# Altium PCB Cherry_Mx_ByZ.PcbDoc
Units mil, origin at the board's own origin, x right, y up, seen from the top; angles counter-clockwise.
Board outline 3543.31 x 1771.65 mil, 2 copper layers (Top Layer, Bottom Layer), stack 61.8 mil thick; 41 components, 35 nets, 152 pads, 84 vias.
Unrouted connection lines stored in the file: 1.
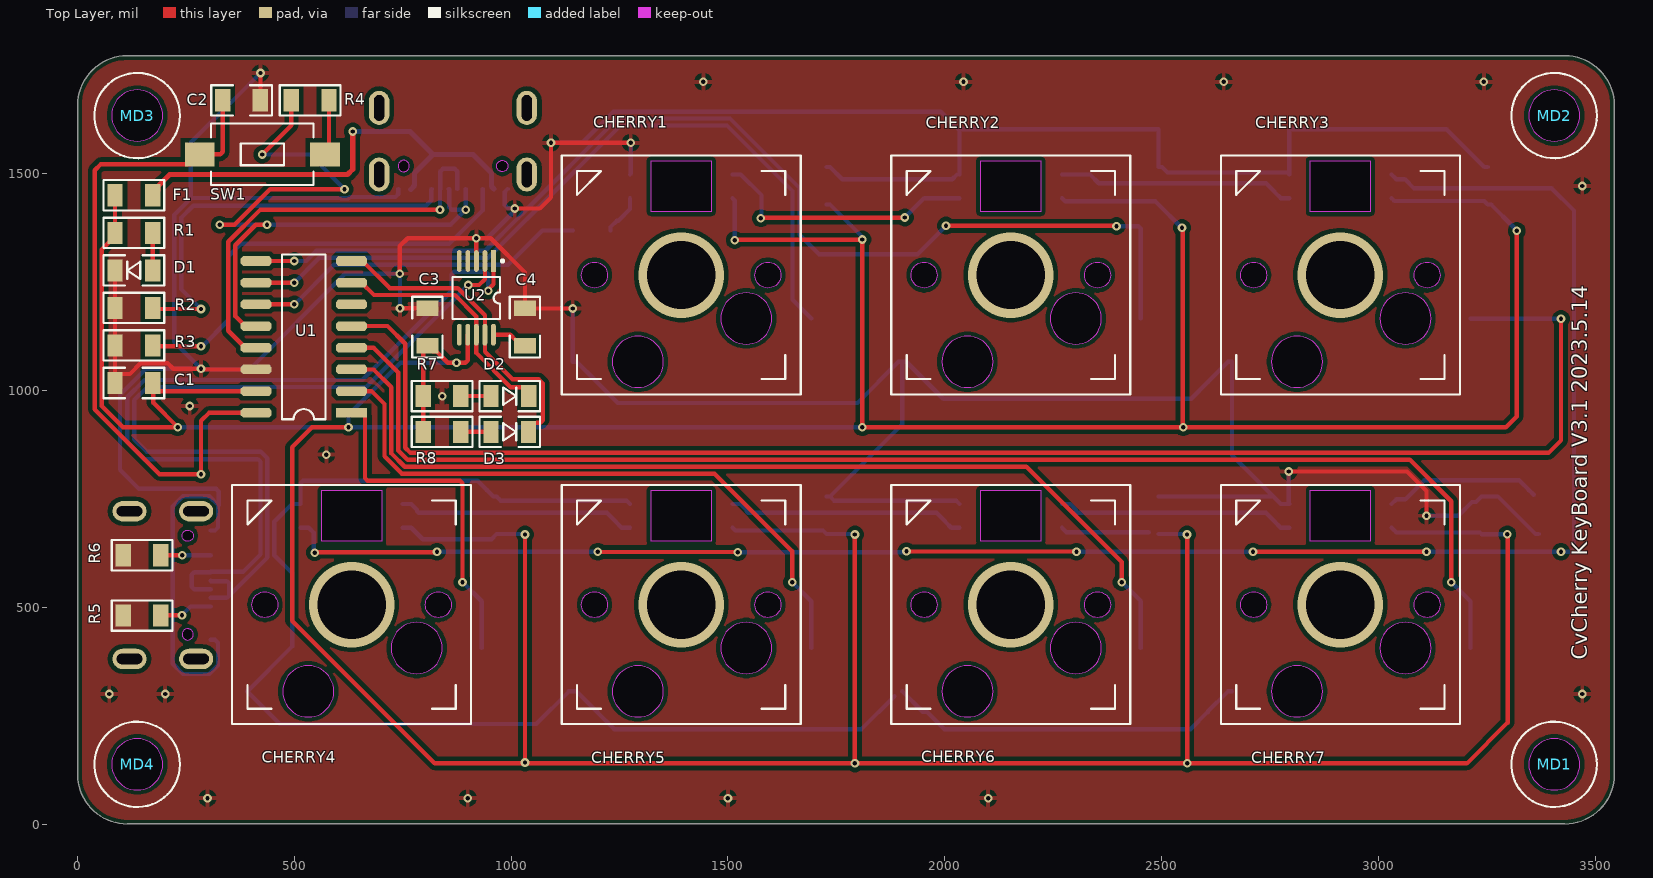
[diagram p0: Top Layer view]
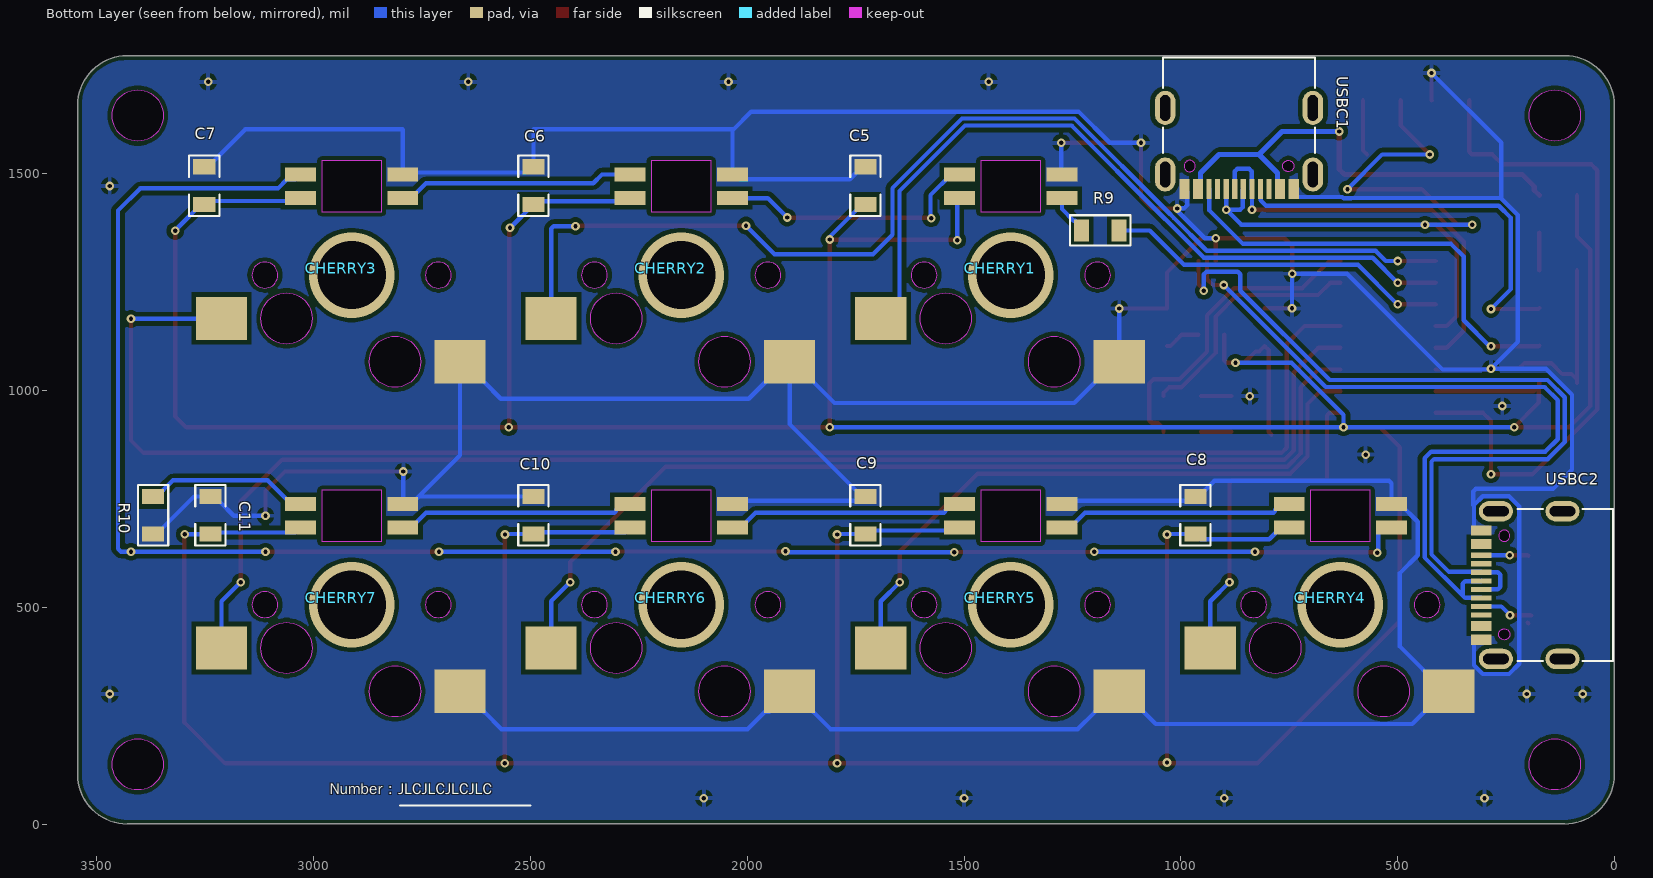
[diagram p1: Bottom Layer view, seen from below]
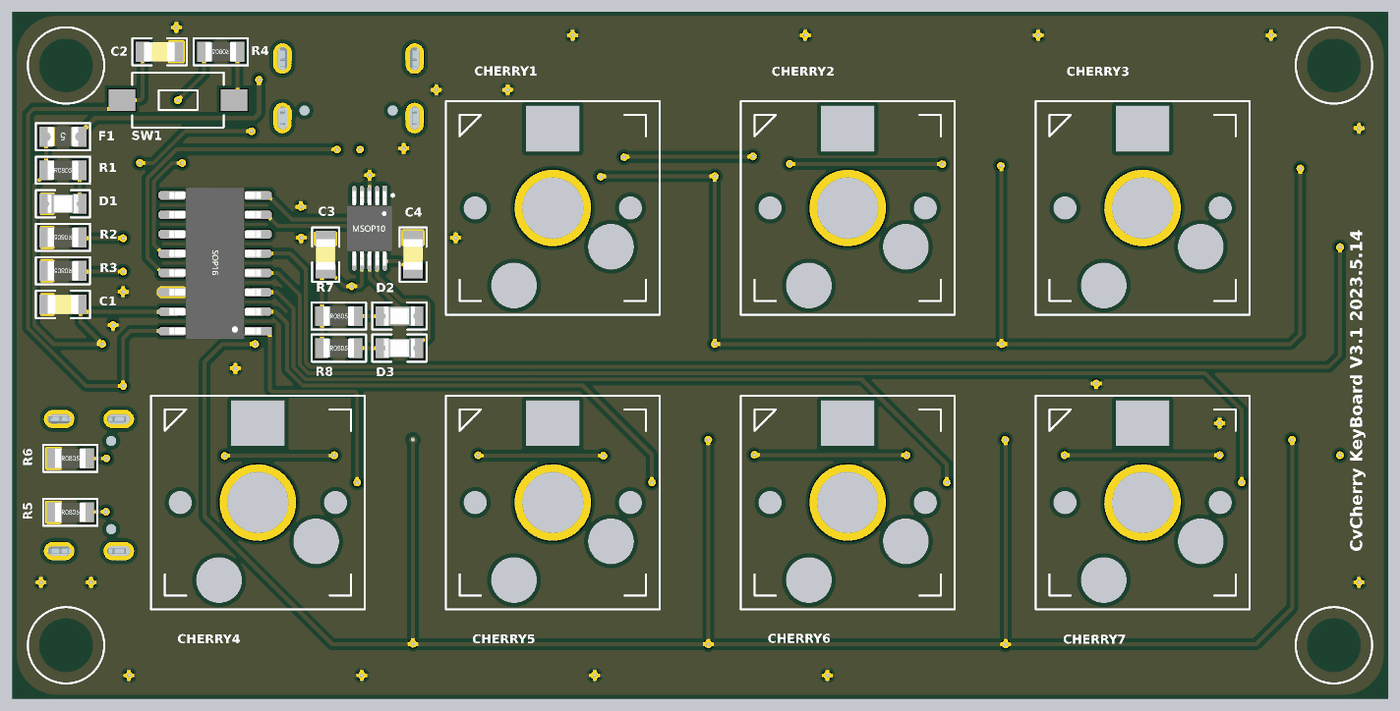
[diagram p2: 3D render of the assembled board from above, using the file's embedded part models]
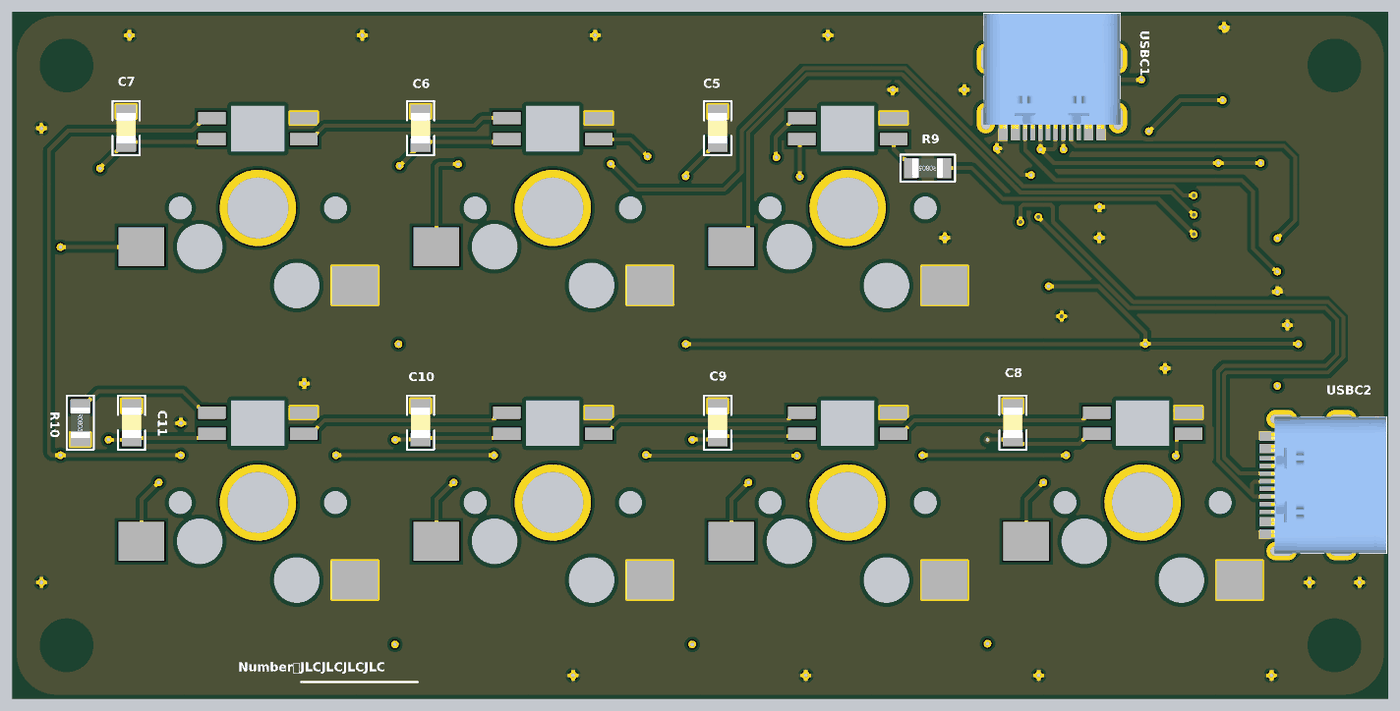
[diagram p3: 3D render of the assembled board from below, using the file's embedded part models]

## Layer stack, top to bottom
Top Solder: solder mask 0.4, Solder Resist, Dk 3.5
Top Layer: signal copper 1.4
Dielectric 1: core 59, Core-043, Dk 4.3
Bottom Layer: signal copper 1.4
Bottom Solder: solder mask 0.4, Solder Resist, Dk 3.5

## Board outline
0.65,114.42 ccw(c114.82,114.42) 114.82,0.25 3429.78,0.25 ccw(c3429.78,114.42) 3543.95,114.42 3543.95,1657.73 ccw(c3429.78,1657.73) 3429.78,1771.9 114.82,1771.9 ccw(c114.82,1657.73) 0.65,1657.73

## Design rules (kind name [scope] priority, off if disabled: settings)
BoardOutlineClearance [All] p1: gap=10 ignorepadtopadclearanceinfootprint=FALSE except(0: Arc-SplitContinuation Track-SplitContinuation SMDPad-SplitContinuation THPad-SplitContinuation Via-SplitContinuation Fill-SplitContinuation Poly-SplitContinuation Region-SplitContinuation Text-SplitContinuation)
Clearance [All] p1: gap=6 ignorepadtopadclearanceinfootprint=TRUE except(10: Arc-Poly Track-Poly SMDPad-Poly THPad-Poly Via-Poly Fill-Poly Poly-Poly)
HoleSize [All] p1: absolutevalues=TRUE maxlimit=200 minlimit=1 maxpercent=80.000 minpercent=20.000
HoleToHoleClearance [All] p1: gap=4 allowstackedmicrovias=TRUE
MinimumSolderMaskSliver [All vs Not InComponent('USBC1')  And  InComponent('USBC2') And InComponent('U2')] p1: minsoldermaskwidth=6
NetAntennae [All] p1: netantennaetolerance=1
PolygonConnect PolygonConnect_1 [IsPad] p1: connectstyle=Direct reliefconductorwidth=10 reliefentries=4 polygonreliefangle="90 Angle" airgapwidth=10
PolygonConnect [All] p2: connectstyle=Relief reliefconductorwidth=10 reliefentries=4 polygonreliefangle="90 Angle" airgapwidth=10
RoutingVias [All] p1: holewidth=10 width=20 viastyle="Through Hole" minholewidth=10 minwidth=20 maxholewidth=10 maxwidth=20
SilkToSilkClearance [All] p1: silktosilkclearance=4
SilkToSolderMaskClearance [IsPad] p1: minsilkscreentomaskgap=4 clearancetoexposedcopper=TRUE
SolderMaskExpansion [All] p1: expansion=4 istentingtop=FALSE
Width VBUS [InNet('VBUS')] p1: maxlimit=12 minlimit=6 preferedwidth=12 minimp=50.000000 maximp=50.000000 favimp=50.000000
Width [All] p2: maxlimit=12 minlimit=6 preferedwidth=10 minimp=50.000000 maximp=50.000000 favimp=50.000000
24 further rules are at their usual default settings.

## Classes and differential pairs
component class Switch_RGB_Cherry: C5 C6 C7 C8 C9 C10 C11 CHERRY1 CHERRY2 CHERRY3 CHERRY4 CHERRY5 CHERRY6 CHERRY7 R9 R10
component class Cherry_Mx_ByZ: C1 C2 C3 C4 D1 D2 D3 F1 MD1 MD2 MD3 MD4 R1 R2 R3 R4 R5 R6 R7 R8 SW1 U1 U2 USBC1 USBC2

## Components (designator, comment, footprint, x,y, rotation, side; value= is the part's Value field where it differs from the comment)
C1 "100nF" SM_C_0805 130,1017.18 r0 top
C2 "100nF" SM_C_0805 378.54,1669 r180 top
C3 "100nF" SM_C_0805 807,1146 r270 top
C4 "100nF" SM_C_0805 1032,1146 r90 top
C5 "100nF" SM_C_0805 1727.43,1472.17 r270 bottom
C6 "100nF" SM_C_0805 2493.11,1472.17 r270 bottom
C7 "100nF" SM_C_0805 3252,1472.17 r270 bottom
C8 "100nF" SM_C_0805 966.57,712.17 r270 bottom
C9 "100nF" SM_C_0805 1727.43,712.17 r270 bottom
C10 "100nF" SM_C_0805 2493.11,712.17 r270 bottom
C11 "100nF" SM_C_0805 3237.86,712.17 r270 bottom
CHERRY1 "Cherry_RGB" Cherry 1392.3,1266.08 r0 top locked
CHERRY2 "Cherry_RGB" Cherry 2152.3,1266.08 r0 top locked
CHERRY3 "Cherry_RGB" Cherry 2912.3,1266.08 r0 top locked
CHERRY4 "Cherry_RGB" Cherry 632.3,506.08 r0 top locked
CHERRY5 "Cherry_RGB" Cherry 1392.3,506.08 r0 top locked
CHERRY6 "Cherry_RGB" Cherry 2152.3,506.08 r0 top locked
CHERRY7 "Cherry_RGB" Cherry 2912.3,506.08 r0 top locked
D1 "LED_0805" LED_0805_White 130,1276.87 r180 top
D2 "LED_0805" LED_0805_White 997,987.09 r0 top
D3 "LED_0805" LED_0805_White 996.94,904.51 r0 top
F1 "F_0805" SMD_F_0805 130,1450 r180 top
MD1 "M3" M3 3405.51,137.8 r0 top locked value=直径3
MD2 "M3" M3 3405.51,1633.86 r0 top locked value=直径3
MD3 "M3" M3 137.8,1633.86 r0 top locked value=直径3
MD4 "M3" M3 137.8,137.8 r0 top locked value=直径3
R1 "470Ω" SM_R_0805 130,1363.44 r0 top
R2 "5.1KΩ" SM_R_0805 130,1190.31 r180 top
R3 "5.1KΩ" SM_R_0805 130,1103.75 r180 top
R4 "4.7KΩ" SM_R_0805 536.69,1669 r180 top
R5 "0Ω" SM_R_0805 149,481 r0 top
R6 "0Ω" SM_R_0805 149,620.08 r0 top
R7 "470Ω" SM_R_0805 840.94,987.09 r0 top
R8 "470Ω" SM_R_0805 840.88,904.51 r0 top
R9 "510Ω" SM_R_0805 1186,1369 r0 bottom
R10 "510Ω" SM_R_0805 3370.02,712.17 r270 bottom
SW1 "轻触开关" SW_L6W3.5 426.4,1544.37 r0 top
U1 "CH549G" SOP-16 522,1123.5 r180 top
U2 "CH340E" MSOP-10 920,1213.5 r270 top
USBC1 "TYPE-C_16PIN" SMD_TYPE-C_16PIN_WS 866,1574.8 r0 bottom
USBC2 "TYPE-C_16PIN" SMD_TYPE-C_16PIN_WS 196.85,551.18 r90 bottom

## Footprints (in the part's own frame and the unit in brackets; to place one, negate y for a bottom-side part, rotate by r counter-clockwise, add the part's x,y. Pads: shape width x height; smd on the part's side, far side on the other; paste and mask are expansions set on the pad)
Cherry [mm]
  rect 1.8x0.82 smd far side: 1(3,4.507) 2(3,5.893) 3(-3,5.893) 4(-3,4.507)
  rect 3x2.54 smd far side: 5(7.62,-2.54) 6(-6.35,-5.08)
  Keep-Out Layer board cut-out: -5.08,-0.762 -5.372,-0.704 -5.619,-0.539 -5.784,-0.292 -5.842,0 -5.842,0 -5.784,0.292 -5.619,0.539 -5.372,0.704 -5.08,0.762 -5.08,0.762 -4.788,0.704 -4.541,0.539 -4.376,0.292 -4.318,0 -4.318,0 -4.376,-0.292 -4.541,-0.539 -4.788,-0.704 -5.08,-0.762
  Keep-Out Layer board cut-out: 5.08,-0.762 4.788,-0.704 4.541,-0.539 4.376,-0.292 4.318,0 4.318,0 4.376,0.292 4.541,0.539 4.788,0.704 5.08,0.762 5.08,0.762 5.372,0.704 5.619,0.539 5.784,0.292 5.842,0 5.842,0 5.784,-0.292 5.619,-0.539 5.372,-0.704 5.08,-0.762
  Keep-Out Layer board cut-out: -4.04,-5.08 -3.926,-5.654 -3.601,-6.141 -3.114,-6.466 -2.54,-6.58 -2.54,-6.58 -1.966,-6.466 -1.479,-6.141 -1.154,-5.654 -1.04,-5.08 -1.04,-5.08 -1.154,-4.506 -1.479,-4.019 -1.966,-3.694 -2.54,-3.58 -2.54,-3.58 -3.114,-3.694 -3.601,-4.019 -3.926,-4.506 -4.04,-5.08
  Keep-Out Layer board cut-out: 2.31,-2.54 2.424,-3.114 2.749,-3.601 3.236,-3.926 3.81,-4.04 3.81,-4.04 4.384,-3.926 4.871,-3.601 5.196,-3.114 5.31,-2.54 5.31,-2.54 5.196,-1.966 4.871,-1.479 4.384,-1.154 3.81,-1.04 3.81,-1.04 3.236,-1.154 2.749,-1.479 2.424,-1.966 2.31,-2.54
  Keep-Out Layer board cut-out: -1.75,3.7 -1.75,6.7 1.75,6.7 1.75,3.7
  silkscreen extent -7,-7 7,7
LED_0805_White [mm] "贴片发光二极管"
  rect 0.9x1.3 smd: 1(-1.1,0) 2(1.1,0)
  silkscreen extent -1.78,-0.89 1.78,0.89, body extent -1,-0.63 1,0.63, height 1.1
M3 [mil] "直径3MM过孔"
  Keep-Out Layer board cut-out: -59.06,0 -54.56,-22.6 -41.76,-41.76 -22.6,-54.56 0,-59.06 0,-59.06 22.6,-54.56 41.76,-41.76 54.56,-22.6 59.06,0 59.06,0 54.56,22.6 41.76,41.76 22.6,54.56 0,59.06 0,59.06 -22.6,54.56 -41.76,41.76 -54.56,22.6 -59.06,0
  silkscreen extent -98,-98 98,98
MSOP-10 [mil]
  rect 50x11 smd mask+2: 1(-85,39.37)
  oval 50x11 smd mask+2: 2(-85,19.69) 3(-85,0) 4(-85,-19.68) 5(-85,-39.37) 6(85,-39.37) 7(85,-19.68) 8(85,0) 9(85,19.69) 10(85,39.37)
  silkscreen extent -88,-55 48,63, body extent -96,-59 96,59, height 43
SM_C_0805 [mm] "贴片电容"
  rect 0.9x1.3 smd: 1(-1.1,0) 2(1.1,0)
  silkscreen extent -1.78,-0.89 1.78,0.89, body extent -1,-0.63 1,0.63, height 1
SM_R_0805 [mm] "贴片电阻"
  rect 0.9x1.3 smd: 1(-1.1,0) 2(1.1,0)
  silkscreen extent -1.78,-0.89 1.78,0.89, body extent -1,-0.63 1,0.63, height 0.55
SMD_F_0805 [mm] "贴片保险丝"
  rect 0.9x1.3 smd: 1(-1.1,0) 2(1.1,0)
  silkscreen extent -1.78,-0.89 1.78,0.89, body extent -1,-0.63 1,0.63, height 0.55
SMD_TYPE-C_16PIN_WS [mm] "L7.35_W8.9_P4.2+1.2"
  rect 0.6x1.2 smd mask+0.05: 1(-3.2,2.8) 2(-2.4,2.8) 11(2.4,2.8) 12(3.2,2.8)
  rect 0.3x1.2 smd mask+0.05: 3(-1.75,2.8) 4(-1.25,2.8) 5(-0.75,2.8) 6(-0.25,2.8) 7(0.25,2.8) 8(0.75,2.8) 9(1.25,2.8) 10(1.75,2.8)
  oval 1.2x2 hole 0.6 slot 1.5 at 90 deg mask+0.051: 13(-4.325,-1.95) 13(-4.325,1.95) 14(4.325,-1.95) 14(4.325,1.95)
  Keep-Out Layer board cut-out: 2.56,1.456 2.585,1.33 2.657,1.223 2.764,1.151 2.89,1.126 2.89,1.126 3.016,1.151 3.123,1.223 3.195,1.33 3.22,1.456 3.22,1.456 3.195,1.582 3.123,1.689 3.016,1.761 2.89,1.786 2.89,1.786 2.764,1.761 2.657,1.689 2.585,1.582 2.56,1.456
  Keep-Out Layer board cut-out: -2.89,1.126 -3.016,1.151 -3.123,1.223 -3.195,1.33 -3.22,1.456 -3.22,1.456 -3.195,1.582 -3.123,1.689 -3.016,1.761 -2.89,1.786 -2.89,1.786 -2.764,1.761 -2.657,1.689 -2.585,1.582 -2.56,1.456 -2.56,1.456 -2.585,1.33 -2.657,1.223 -2.764,1.151 -2.89,1.126
  silkscreen extent -4.45,-4.9 4.45,0.68, body extent -4.47,-4.9 4.47,2.65, height 3.26
SOP-16 [mil]
  rect 72x22 smd: 1(-110,175)
  oct 72x22 smd: 2(-110,125) 3(-110,75) 4(-110,25) 5(-110,-25) 6(-110,-75) 7(-110,-125) 8(-110,-175) 9(110,-175) 10(110,-125) 11(110,-75) 12(110,-25) 13(110,25) 14(110,75) 15(110,125) 16(110,175)
  silkscreen extent -50,-190 50,190, body extent -118,-197 118,197, height 65
SW_L6W3.5 [mm]
  rect 1.74x1.4 smd: 1(-3.67,0) 2(3.67,0)
  silkscreen extent -3,-1.8 3,1.8

## Part data
C1 C2 C3 C4 C5 C6 C7 C8 C9 C10 C11: library part C0805, "贴片电容"
CHERRY1 CHERRY2 CHERRY3 CHERRY4 CHERRY5 CHERRY6 CHERRY7: "樱花轴CHERRY"
D1 D2 D3: "发光二极管"
F1: "自恢复保险丝", ComponentLink1Description=立创商城, ComponentLink1URL=https://item.szlcsc.com/258562.html, 保持电流=500mA, 初态阻值=150mΩ, 动作时间=MAX_100ms, 厂家型号=SMD0805B050TF, 品　　牌=君耀电子, 最大电压=6V, 最大电流=100A, 立创编号=C269104, 跳闸电流=1A
MD1 MD2 MD3 MD4: "直径3mm过孔"
R1 R2 R3 R4 R5 R6 R7 R8 R9 R10: library part R0805, "贴片电阻"
SW1: "按钮轻触开关"
U1: "沁恒USB芯片", ComponentLink1Description=南京沁恒, ComponentLink1URL=https://www.wch.cn/downloads/CH549DS1_PDF.html
U2: "沁恒串口转TTL", ComponentLink1Description=立创商城, ComponentLink1URL=https://item.szlcsc.com/100866.html
USBC1 USBC2: "USB连接器", ComponentLink1Description=立创商城, ComponentLink1URL=https://item.szlcsc.com/2901843.html, 厂家型号="TYPE-C 16PIN 2MD(073)", 品　　牌="SHOU HAN", 安装方式=卧贴, 接口类型=母座, 立创编号=C2765186, 触点数量=16, 额定电流=5A

## Via types
v1: diameter 20, hole 10, Top Layer to Bottom Layer, 77 vias
v2: diameter 196.85, hole 157.48, Top Layer to Bottom Layer, 7 vias

## Nets (pads, with @x,y where several pads share a name; then routed paths per layer and width w, separated by ;. In a path a pad name is that pad's centre, name@x,y a point inside that pad or via, vN(x,y) a via of type N, cw(c..) or ccw(c..) an arc to the next point about the centre after c; other vN are vias at no path point)
CC1: R2.1 USBC1.4 | length 961.9
  Top Layer w10: R2.1 175.62,1188 v1(285,1188)
  Bottom Layer w10: v1(285,1188) 239,1234 239,1398 267,1426 803.62,1426 815.88,1438.26 815.88,1463.66 USBC1.4
CC2: R3.1 USBC1.10 | length 1026.2
  Top Layer w10: R3.1 175.05,1102 v1(285,1102)
  Bottom Layer w10: v1@286.5,1100.5 348,1162 348,1309 377,1338 857,1338 934.9,1415.9 USBC1.10
CH340E: C4.1 U2.10 | length 83.3
  Top Layer w10: U2.10 998.32,1128.5 1011.41,1115.41 1024.13,1102.69 C4.1
CH549G: C2.2 SW1.1 U1.16 | length 1547.7
  Top Layer w10: C2.2 335.24,1550.22 329.38,1544.37 SW1.1 259.54,1522 54,1522 40,1508 40,956.37 189.37,807 v1(285,807) 285,930 303.25,948.25 411.75,948.25 U1.16
DM: U1.13 USBC1.5 USBC1.7 | length 977.4
  Top Layer w10: U1.13 387,1098.5 348,1137.5 348,1343 422,1417 v1(836,1417)
  Bottom Layer w10: v1(836,1417) 836.24,1417.24 836.24,1464.33 USBC1.5 836.47,1505.14 842.33,1511 869.98,1511 875.84,1505.14 USBC1.7
DOUT-IN: CHERRY3.2 CHERRY4.4 | length 4226.9
  Top Layer w10: v1(547,626) 548,627 828,627 v1(829,628) ; v1(1200,628) 1200.5,627.5 1522.5,627.5 v1(1523,627) ; v1(1912,629) 1912.5,628.5 2303.5,628.5 v1(2304,628) ; v1(2711,628) v1(3111,628)
  Bottom Layer w10: CHERRY4.4 533.48,683.52 544.62,672.38 544.62,631.09 547,628.71 v1(547,626) ; v1(829,628) v1(1200,628) ; v1(1523,627) 1908.65,627 1910.65,629 v1(1912,629) ; v1(2304,628) v1(2711,628) ; CHERRY3.2 3041.55,1486.94 3061.06,1486.94 3082,1466 3400,1466 3451,1415 3451,634.86 3444.14,628 v1(3421,628) v1(3111,628)
DP: R4.2 U1.12 USBC1.6 USBC1.8 | length 1724.5
  Top Layer w10: v1(328,1382) 362.3,1382 444.3,1464 v1(616,1464) ; U1.12 387,1148.5 364,1171.5 364,1334.96 411.04,1382 v1(437,1382) ; v1(426,1544) 493.39,1611.39 R4.2
  Bottom Layer w10: v1@328,1381 329,1382 v1(437,1382) 860.53,1382 v1(895.53,1417) ; v1(426,1544) 536,1544 v1(616,1464) ; USBC1.6 857.06,1463.66 857.06,1422.86 862.92,1417 v1(895.53,1417) ; USBC1.8 v1(895.53,1417)
GND: C1.1 C2.1 C3.1 C4.2 C5.1 C6.1 C7.1 C8.1 C9.1 C10.1 C11.1 CHERRY1.3 CHERRY1.6 CHERRY2.3 CHERRY2.6 CHERRY3.3 CHERRY3.6 CHERRY4.3 CHERRY4.6 CHERRY5.3 CHERRY5.6 CHERRY6.3 CHERRY6.6 CHERRY7.3 CHERRY7.6 D1.2 R2.2 R3.2 R5.1 R6.1 R10.2 U1.14 U2.3 USBC1.1 USBC1.12 USBC2.1 USBC2.12 | length 15951.6
  Top Layer w10: C1.1 C1.1@86.69,1025.06 ; D1.2 R2.2 R3.2 C1.1@86.69,1025.06 ; U1.14 286.5,1048.5 v1(285,1050) 220.76,1050 207.76,1063 146.22,1063 121,1037.77 99.41,1037.77 C1.1@86.69,1025.06 ; C2.1 422,1669.15 v1(422,1732) ; v1(743,1269) 743,1332.31 761.69,1351 v1(920,1351) ; v1(743.76,1189.31) C3.1 ; U2.3 v1(920,1351) ; v1(1008.26,1419.57) 1066.4,1419.57 1092,1445.17 v1(1092,1571) v1(1276,1571) ; v1(1142,1189) 1032.31,1189 C4.2 1032,1271.93 952.93,1351 v1(920,1351) ; v1(2793,813) 3066,813 3111,768 v1(3111,711)
  Bottom Layer w10: 261,1442.63 261,1571 v1(422,1732) ; v1(285,1050) 158,1050 98,990 98,817 142,773 319.85,773 325.71,767.14 325.71,735.8 ; USBC2.1 317.18,425.2 323.99,418.39 323.99,366.56 303.71,346.28 243.53,346.28 220,369.82 220,732.55 243.53,756.08 303.71,756.08 323.99,735.8 323.99,683.98 317.18,677.17 USBC2.12 ; USBC1.1 740.02,1452.76 733.2,1445.94 627.64,1445.94 624.7,1443 607.3,1443 606.47,1443.83 262.2,1443.83 223,1404.63 223,1366 223,1112 286.5,1048.5 396.5,1048.5 617,1269 v1(743,1269) ; v1(743.76,1189.31) 743.76,1258 ; v1(920,1351) 920.15,1351.15 945,1351.15 v1@1007.3,1413.46 ; USBC1.12 985.17,1457.76 985.17,1427.83 993.17,1419.83 1008,1419.83 v1(1008.26,1419.57) ; v1(1092,1571) 1164.12,1571 1236.12,1643 1991,1643 2032,1602 ; v1(1142,1189) 1142,1066.38 1151.06,1066.38 1196.35,1021.08 1196.35,1020.65 1246,971 1799,971 1846.25,1018.25 1846.25,1019.08 1893.25,1066.08 CHERRY2.6 ; CHERRY5.3 1266.27,746 976.05,746 C8.1 958.7,755.47 943.98,770.19 943.98,770.76 922.75,792 520.05,792 514.19,786.14 CHERRY4.3 494.9,738.08 454,697.19 454,620.13 495,579.13 495,409.72 391.35,306.08 466.43,231 1058.17,231 1133.24,306.08 CHERRY5.6 1151.35,306.08 1198.35,259.08 1198.35,258.65 1238,219 1808.19,219 CHERRY6.6@1884.19,295 ; CHERRY1.3 1276,1499.9 v1(1276,1571) ; C9.1 C9.1@1735.3,755.47 ; C5.1 1735.3,1515.48 1763.78,1487 2017.43,1487 CHERRY2.3@2028.52,1498.09 ; CHERRY6.6 1949.3,259.08 1958.92,259.08 1999.34,218.66 2566.66,218.66 2606.25,258.25 2606.25,259.08 2653.25,306.08 CHERRY7.6 ; CHERRY6.3 2026.27,746 1744.78,746 C9.1@1735.3,755.47 ; CHERRY2.3 2034.19,1599.81 2032,1602 ; C10.1 2757.51,755.47 ; CHERRY7.3@2793,739.28 v1(2793,813) ; CHERRY7.3 2774.9,738.08 2757.51,755.47 ; v1(3111,711) 3184,711 3215.76,742.76 3225.14,742.76 C11.1 3275.53,755.47 3362.14,668.86 R10.2 ; C7.1 3244.13,1515.48 3157.6,1602 2795,1602 2794.19,1601.19 CHERRY3.3 2789.52,1502.76 2513.7,1502.76 2500.98,1515.48 C6.1 2493.11,1600.89 2492,1602 2032,1602 ; C9.1@1735.3,755.47 1902.3,922.47 CHERRY2.6 ; CHERRY2.6 1911.36,1066.08 1996.43,981 2568.25,981 2606.25,1019 2606.25,1019.08 2653.25,1066.08 CHERRY3.6 2662.3,850.68 2757.51,755.47
  other v1: 300,60 900,60 1500,60 2100,60 73.31,300 202.28,300 3470,300 574,852 259,964 841,987 3470,1471.65 1443.31,1711.65 2043.31,1711.65 2643.31,1711.65 3243.31,1711.65
K1: CHERRY1.5 U1.10 | length 1761.6
  Top Layer w10: U1.10 v1(500.25,1248.5)
  Bottom Layer w10: v1(500.25,1248.5) 557.75,1306 947,1306 1023.57,1382.57 ; 1023.59,1382.57 1045.26,1404.24 1252,1611 1498,1611 1649,1460 1649,1209.38 CHERRY1.5
K2: CHERRY2.5 U1.9 | length 2606.3
  Top Layer w10: U1.9 v1(500.25,1298.5) ; v1(2003,1380) 2003.5,1379.5 2395.5,1379.5 v1(2396,1379)
  Bottom Layer w10: v1(500.25,1298.5) 527.5,1298.5 551,1322 940.37,1322 1016.94,1398.57 1029.26,1410.87 ; 1029.26,1410.89 1245.37,1627 1504.63,1627 1665,1466.63 1665,1359 1710,1314 1937,1314 v1(2003,1380) ; v1(2396,1379) 2446.44,1379 2452.3,1373.14 CHERRY2.5
K3: CHERRY3.5 U1.5 | length 3551.8
  Top Layer w10: U1.5 715.14,1148.5 756,1107.64 756,868 768,856 3392.14,856 3421,884.86 v1(3421,1165)
  Bottom Layer w10: CHERRY3.5 3213.38,1165 v1(3421,1165)
K4: CHERRY4.5 U1.1 | length 806.4
  Top Layer w10: U1.1 657,948.5 663,942.5 663,797.86 668.86,792 882.14,792 888,786.14 v1(888,558)
  Bottom Layer w10: v1(888,558) 932.3,513.7 CHERRY4.5
K5: CHERRY5.5 U1.2 | length 1480.9
  Top Layer w10: U1.2 678.14,998.5 708,968.64 708,848.12 748.12,808 1469,808 1648,629 v1(1648,558)
  Bottom Layer w10: v1(1648,558) 1692.3,513.7 CHERRY5.5
K6: CHERRY6.5 U1.3 | length 2266
  Top Layer w10: U1.3 683,1048.5 724,1007.5 724,854.75 754.75,824 2188.27,824 2408,604.27 v1(2408,558)
  Bottom Layer w10: v1(2408,558) 2452.3,513.7 CHERRY6.5
K7: CHERRY7.5 U1.4 | length 3145
  Top Layer w10: U1.4 683,1098.5 740,1041.5 740,861.37 761.37,840 3072.63,840 3168,744.63 v1(3168,558)
  Bottom Layer w10: v1(3168,558) 3212.3,513.7 CHERRY7.5
NetCHERRY1_2: CHERRY1.2 CHERRY2.4 | length 618.1
  Top Layer w10: v1(1576,1397) 1577,1398 1907,1398 v1(1908,1399)
  Bottom Layer w10: CHERRY1.2 1529.7,1498.09 1577.3,1450.49 1577.3,1398.3 v1(1576,1397) ; v1(1908,1399) 1952.52,1443.52 CHERRY2.4
NetCHERRY1_4: CHERRY1.4 R9.2 | length 95.1
  Bottom Layer w10: R9.2 1229.31,1376.87 1244.02,1391.59 1247.4,1391.59 1274.19,1418.38 CHERRY1.4
NetCHERRY2_2: CHERRY2.2 CHERRY3.4 | length 546.7
  Bottom Layer w10: CHERRY2.2 2334.91,1498.09 2355,1478 2741,1478 2761.76,1457.25 2761.76,1456.66 2774.9,1443.52 CHERRY3.4
NetCHERRY4_2: CHERRY4.2 CHERRY5.4 | length 548.7
  Bottom Layer w10: CHERRY4.2 769.7,738.08 782.84,724.94 782.84,721.51 786.36,718 1221,718 1241.76,697.24 1241.76,696.66 1254.9,683.52 CHERRY5.4
NetCHERRY5_2: CHERRY5.2 CHERRY6.4 | length 548.7
  Bottom Layer w10: CHERRY5.2 1529.7,738.08 1542.84,724.94 1542.84,721.51 1546.36,718 1981,718 2001.76,697.24 2001.76,696.66 2014.9,683.52 CHERRY6.4
NetCHERRY6_2: CHERRY6.2 CHERRY7.4 | length 548.7
  Bottom Layer w10: CHERRY6.2 2289.7,738.08 2302.84,724.94 2302.84,721.51 2306.36,718 2741,718 2761.76,697.24 2761.76,696.66 2774.9,683.52 CHERRY7.4
NetCHERRY7_2: CHERRY7.2 R10.1 | length 364.6
  Bottom Layer w10: CHERRY7.2 3041.55,749.23 3062.23,749.23 3106,793 3324.18,793 3346.99,770.19 3347.43,770.19 3358.03,759.59 R10.1@3358.03,759.15
NetD1_1: D1.1 R1.2 | length 86.6
  Top Layer w10: D1.1 R1.2
NetD2_1: D2.1 R7.2 | length 69.4
  Top Layer w10: R7.2 D2.1
NetD3_1: D3.1 R8.2 | length 69.4
  Top Layer w10: R8.2 D3.1
NetR4_1: R4.1 SW1.2 | length 128.4
  Top Layer w10: SW1.2 580,1553.48 R4.1
NetR5_2: R5.2 USBC2.4 | length 125
  Top Layer w10: R5.2 193.31,482 v1(241,482) ; R5.2@199.4,463.18 R5.2@200.46,464.24
  Bottom Layer w10: v1(241,482) 260.97,501.97 USBC2.4
NetR6_2: R6.2 USBC2.10 | length 108.2
  Top Layer w10: R6.2@199.31,619.08 200.27,620.04 v1(242.04,620.04)
  Bottom Layer w10: v1(242.04,620.04) v1(242.04,620.04) 307.05,620.04 USBC2.10
RGB: R9.1 U1.11 | length 801.3
  Top Layer w10: U1.11 v1(500.25,1198.5)
  Bottom Layer w10: v1(500.25,1198.5) 591.75,1290 992.88,1290 1071.88,1369 R9.1
RXD: D2.2 U1.7 U2.8 | length 570.1
  Top Layer w10: U1.7 655.29,1248.5 683.79,1220 870.4,1220 919.81,1170.59 919.81,1128.69 U2.8 920,1086.37 999.29,1007.09 1027.59,1007.09 1040.31,994.37 D2.2
TXD: D3.2 U1.8 U2.9 | length 740.5
  Top Layer w10: U1.8 657.5,1298.5 720,1236 877.02,1236 939.69,1173.34 U2.9 939.88,1128.31 939.88,1089.12 1003.32,1025.68 1063.41,1025.68 1073,1016.09 1073,931.22 1067.14,925.37 1058.82,925.37 1058.56,925.1 1052.97,925.1 1040.25,912.38 D3.2
UD+: U2.1 USBC2.6 USBC2.8 | length 1983.5
  Top Layer w10: v1(947,1230) 947,1232.71 959.37,1245.08 U2.1
  Bottom Layer w10: USBC2.6 269.15,541.34 263.29,547.2 263.29,574.85 269.15,580.71 USBC2.8 307.99,581.61 381.61,581.61 422,622 422,835.85 416.14,841.71 154.29,841.71 115,881 115,984.37 154.63,1024 657,1024 863,1230 863,1268.14 868.86,1274 941.14,1274 947,1268.14 v1(947,1230)
UD-: U2.2 USBC2.5 USBC2.7 | length 1852.4
  Top Layer w10: v1(901,1243) 926.01,1243 939.69,1256.67 U2.2
  Bottom Layer w10: USBC2.5 344.58,521.65 350.44,527.51 ; USBC2.7 307.99,560.12 344.58,560.12 350.44,554.26 350.44,527.51 ; v1(901,1243) 666,1008 161.25,1008 131,977.75 131,887.63 159.63,859 422.48,859 438,843.48 438,615.07 350.44,527.51
VBUS: F1.1 USBC1.2 USBC1.11 | length 1078.7
  Top Layer w12: F1.1 185.02,1461.72 185.02,1470.02 213,1498 622.97,1498 635,1510.03 v1(635,1597)
  Bottom Layer w12: v1(635,1597) 766.75,1597 819.75,1544 ; USBC1.2@768.5,1463.5 777.32,1472.32 777.32,1501.57 819.75,1544 ; USBC1.11 954.68,1470.38 954.68,1501.57 912.25,1544 819.75,1544
VCC: C1.2 C3.2 C5.2 C6.2 C7.2 C8.2 C9.2 C10.2 C11.2 CHERRY1.1 CHERRY2.1 CHERRY3.1 CHERRY4.1 CHERRY5.1 CHERRY6.1 CHERRY7.1 F1.2 R1.1 R7.1 R8.1 U1.15 U2.7 | length 14001.6
  Top Layer w10: F1.2 R1.1 86.69,1355.56 56,1324.87 56,964 105,915 230,915 231,916 175,972 C1.2@175,1009.52 ; C1.2 173.31,1011.22 C1.2@175,1009.52 ; U1.15 186.02,998.5 C1.2@175,1009.52 ; v1(625,915) 541,915 495,869 495,469 824,140 1022.93,140 1023.02,140.09 1030.09,140.09 v1(1032,142) v1(1032,668) ; R8.1@791.07,898 R8.1 797.63,904.57 R7.1 797.63,1093.33 C3.2 819.72,1089.98 828.02,1089.98 854,1064 v1(874.23,1064) 894.46,1064 900.32,1069.86 U2.7 ; v1@1034,140 v1(1792.86,140) ; v1(1515.72,1346.72) 1516.36,1347.36 1809.36,1347.36 v1(1810,1348) v1(1810,915) v1(2550,915) ; v1(1792.86,668) v1(1792.86,140) ; v1(2547,1374.97) 2548.5,1373.47 2548.5,916.5 v1(2550,915) ; v1(2558.53,668) 2559.17,667.36 v1(2559.17,140) ; v1@3298,668.1 3298,234 3204,140 v1(2559.17,140) ; v1(3319,1368) 3319,940 3294,915 v1(2550,915) ; v1(1792.86,140) v1(2559.17,140)
  Bottom Layer w10: v1@231,916 231.5,915.5 624.5,915.5 v1(625,915) ; CHERRY4.1 769.7,683.52 796.22,657 954.72,657 C8.2 1031.14,668.86 v1(1032,668) ; v1(874.23,1064) 745,1064 625,944 v1(625,915) ; CHERRY5.1 1516.93,677 1719.29,677 C9.2 1792,668.86 v1(1792.86,668) ; CHERRY1.1 1515.72,1438.21 v1(1515.72,1346.72) ; C5.2 1735.3,1428.86 1808.09,1356.08 1808.09,1349.91 v1(1810,1348) ; v1(1810,915) v1(625,915) ; CHERRY6.1 2280.93,673 C10.2@2470.63,673 ; CHERRY2.1 2277.93,1436 2485.97,1436 C6.2 v1@2545.51,1376.46 ; C10.2 2557.67,668.86 v1(2558.53,668) ; CHERRY7.1 3041.55,672.38 3234.34,672.38 C11.2 3238.58,668.13 v1(3297.21,668.13) ; CHERRY3.1 3036.93,1437 3243.86,1437 C7.2 3259.87,1428.86 3312.28,1376.46 3312.28,1376.08 3319,1369.35 v1(3319,1368)
  other v1: 231,915
pads on no net: U1.6 U2.4 U2.5 U2.6 USBC1.3 USBC1.9 USBC1.13 USBC1.14 USBC2.2 USBC2.3 USBC2.9 USBC2.11 USBC2.13 USBC2.14
copper on no net:
  other v2: 632.3,506.08 1392.3,506.08 2152.3,506.08 2912.3,506.08 1392.3,1266.08 2152.3,1266.08 2912.3,1266.08

## Polygon pours and split planes (outlines as drawn)
GND on Top Layer "GND_L01_P000" (solid, remove dead copper, pour order 0): 0.65,114.42 ccw(c114.82,114.42) 114.82,0.25 3429.78,0.25 ccw(c3429.78,114.42) 3543.95,114.42 3543.95,1657.73 ccw(c3429.78,1657.73) 3429.78,1771.9 114.82,1771.9 ccw(c114.82,1657.73) 0.65,1657.73
GND on Bottom Layer "GND_L02_P001" (solid, remove dead copper, pour order 1): 0.65,114.42 ccw(c114.82,114.42) 114.82,0.25 3429.78,0.25 ccw(c3429.78,114.42) 3543.95,114.42 3543.95,1657.73 ccw(c3429.78,1657.73) 3429.78,1771.9 114.82,1771.9 ccw(c114.82,1657.73) 0.65,1657.73

## Silkscreen, mask and mechanical layers (free items; w line width, h text height)
Top Overlay:
  text "CvCherry KeyBoard V3.1 2023.5.14" at 3492.93,379.28 h60 r90
Bottom Overlay:
  lines w5: 2500.33,43 2801,43
  text "Number：JLCJLCJLCJLC" at 2963.27,59.56 h45
Board Shape:
  the board outline again, w2